# Altium PCB PuttPilot-Master.PcbDoc (part 1 of 2)
Units mm, origin at the board's own origin, x right, y up, seen from the top; angles counter-clockwise.
Board outline 150 x 80 mm, 4 copper layers (L01-SIG, L02-GND, L03-PWR, L04-SIG), stack 0.603 mm thick; 225 components, 120 nets, 597 pads, 726 vias.
Unrouted connection lines stored in the file: 140.
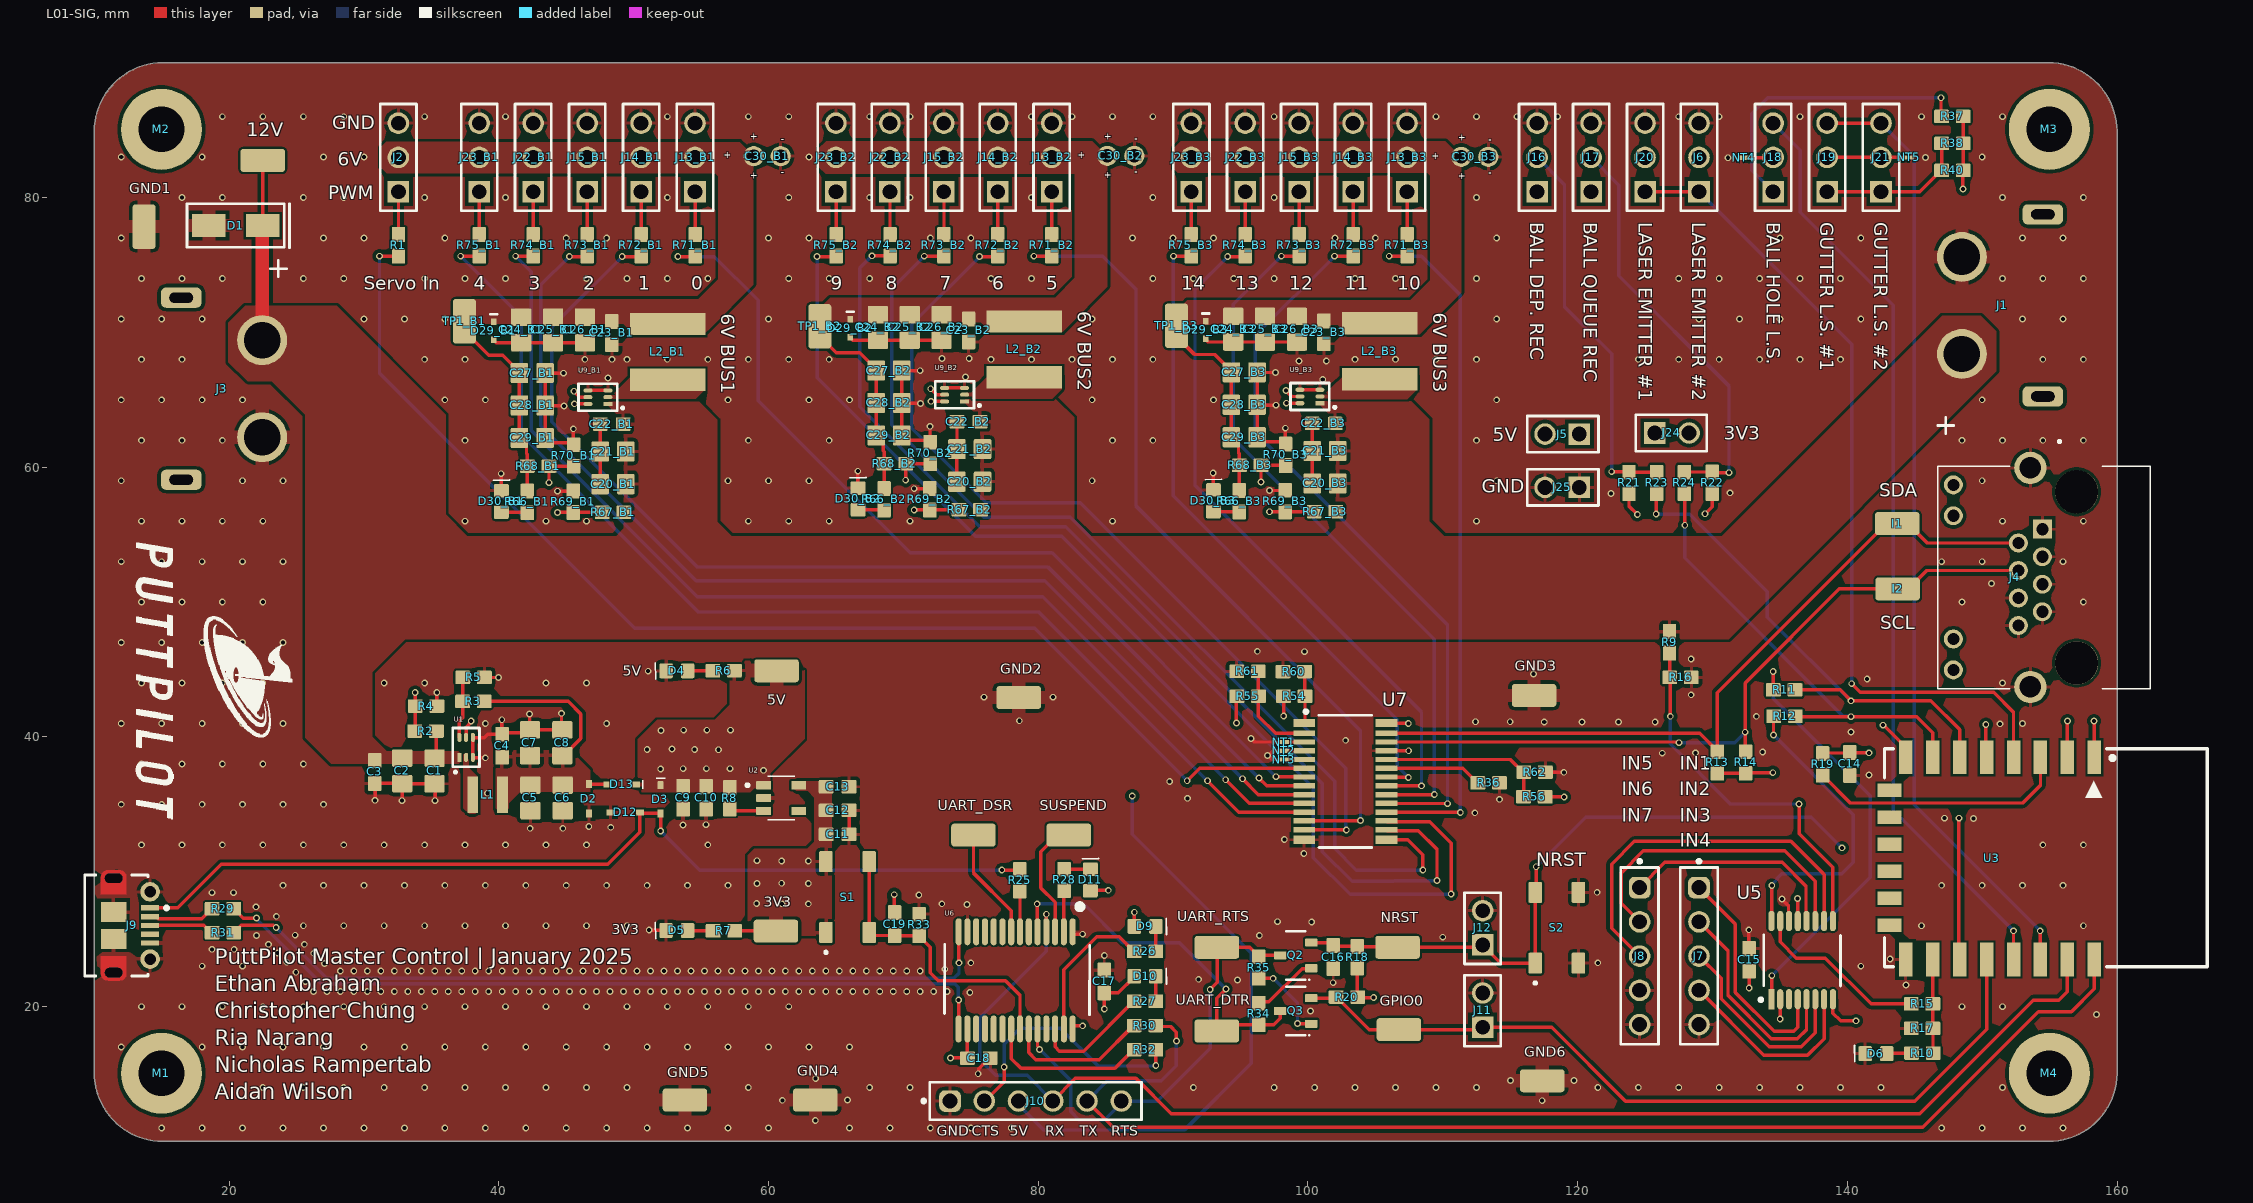
[diagram p0: L01-SIG view]
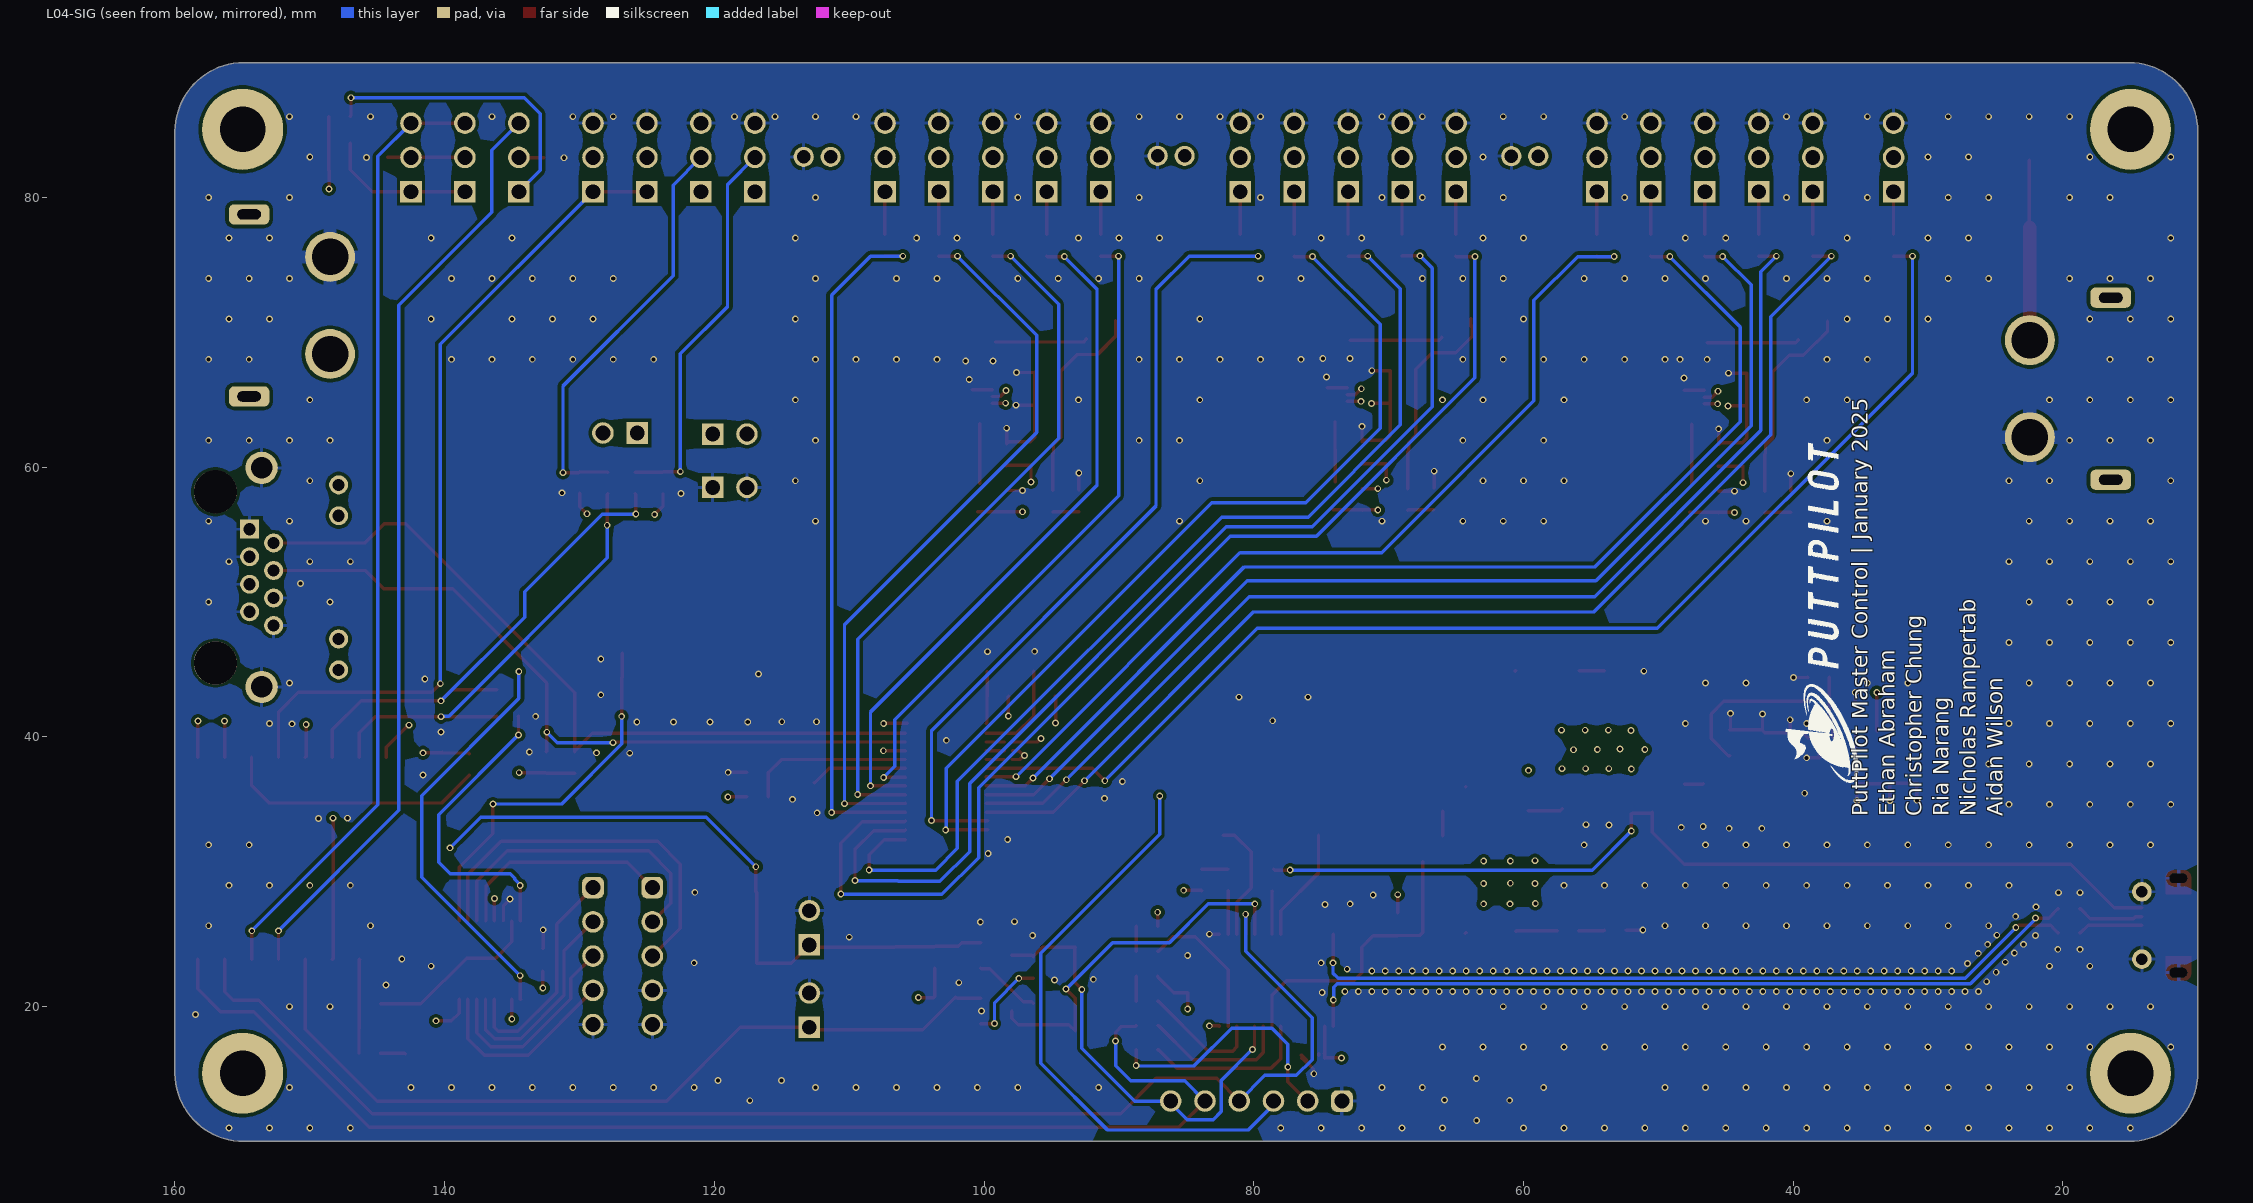
[diagram p1: L04-SIG view, seen from below]
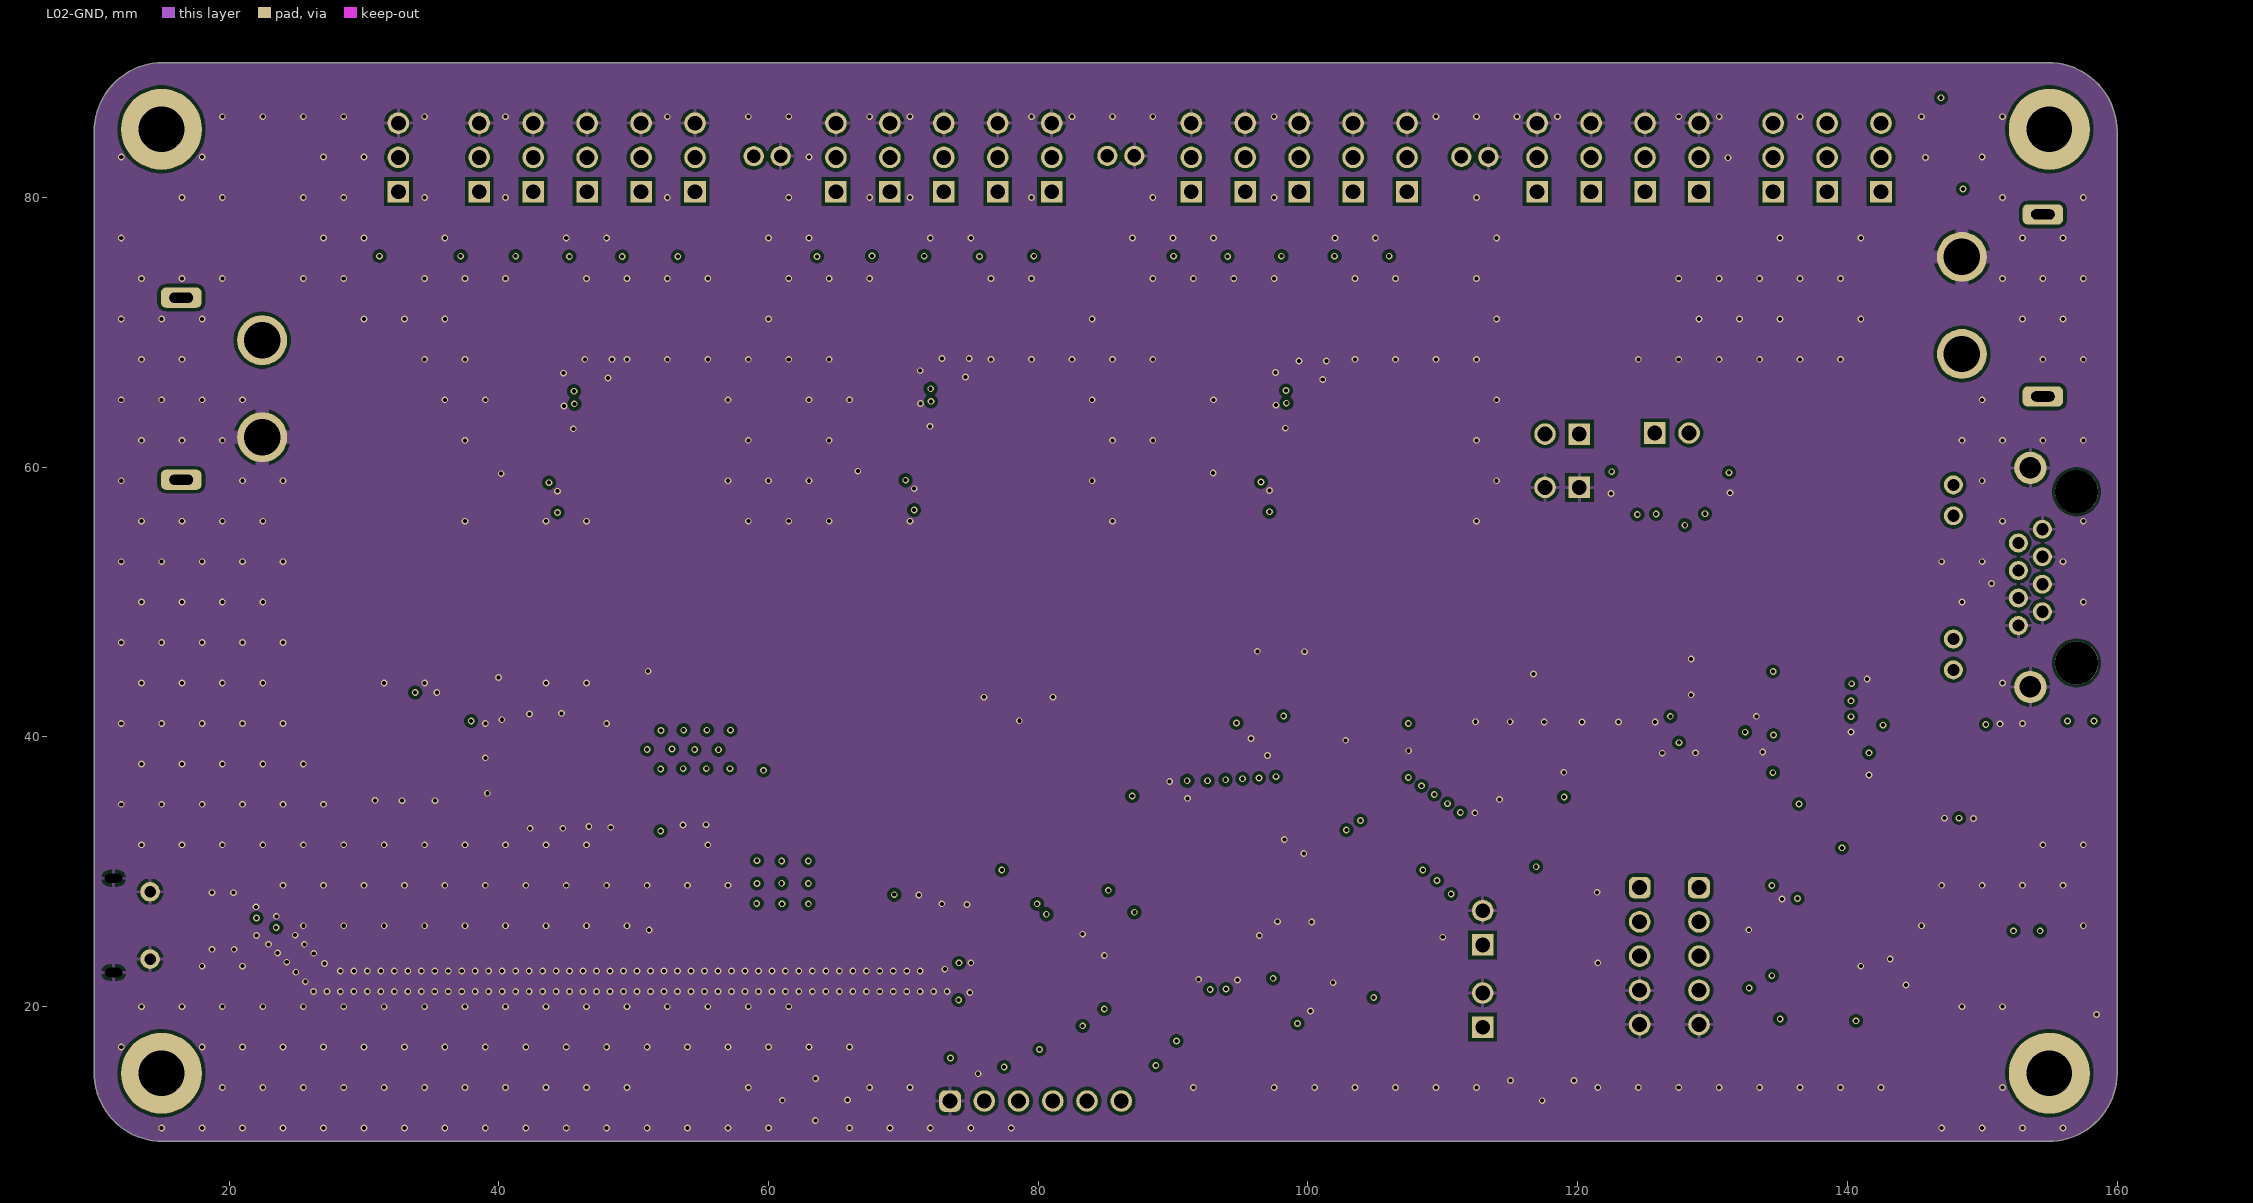
[diagram p2: L02-GND]
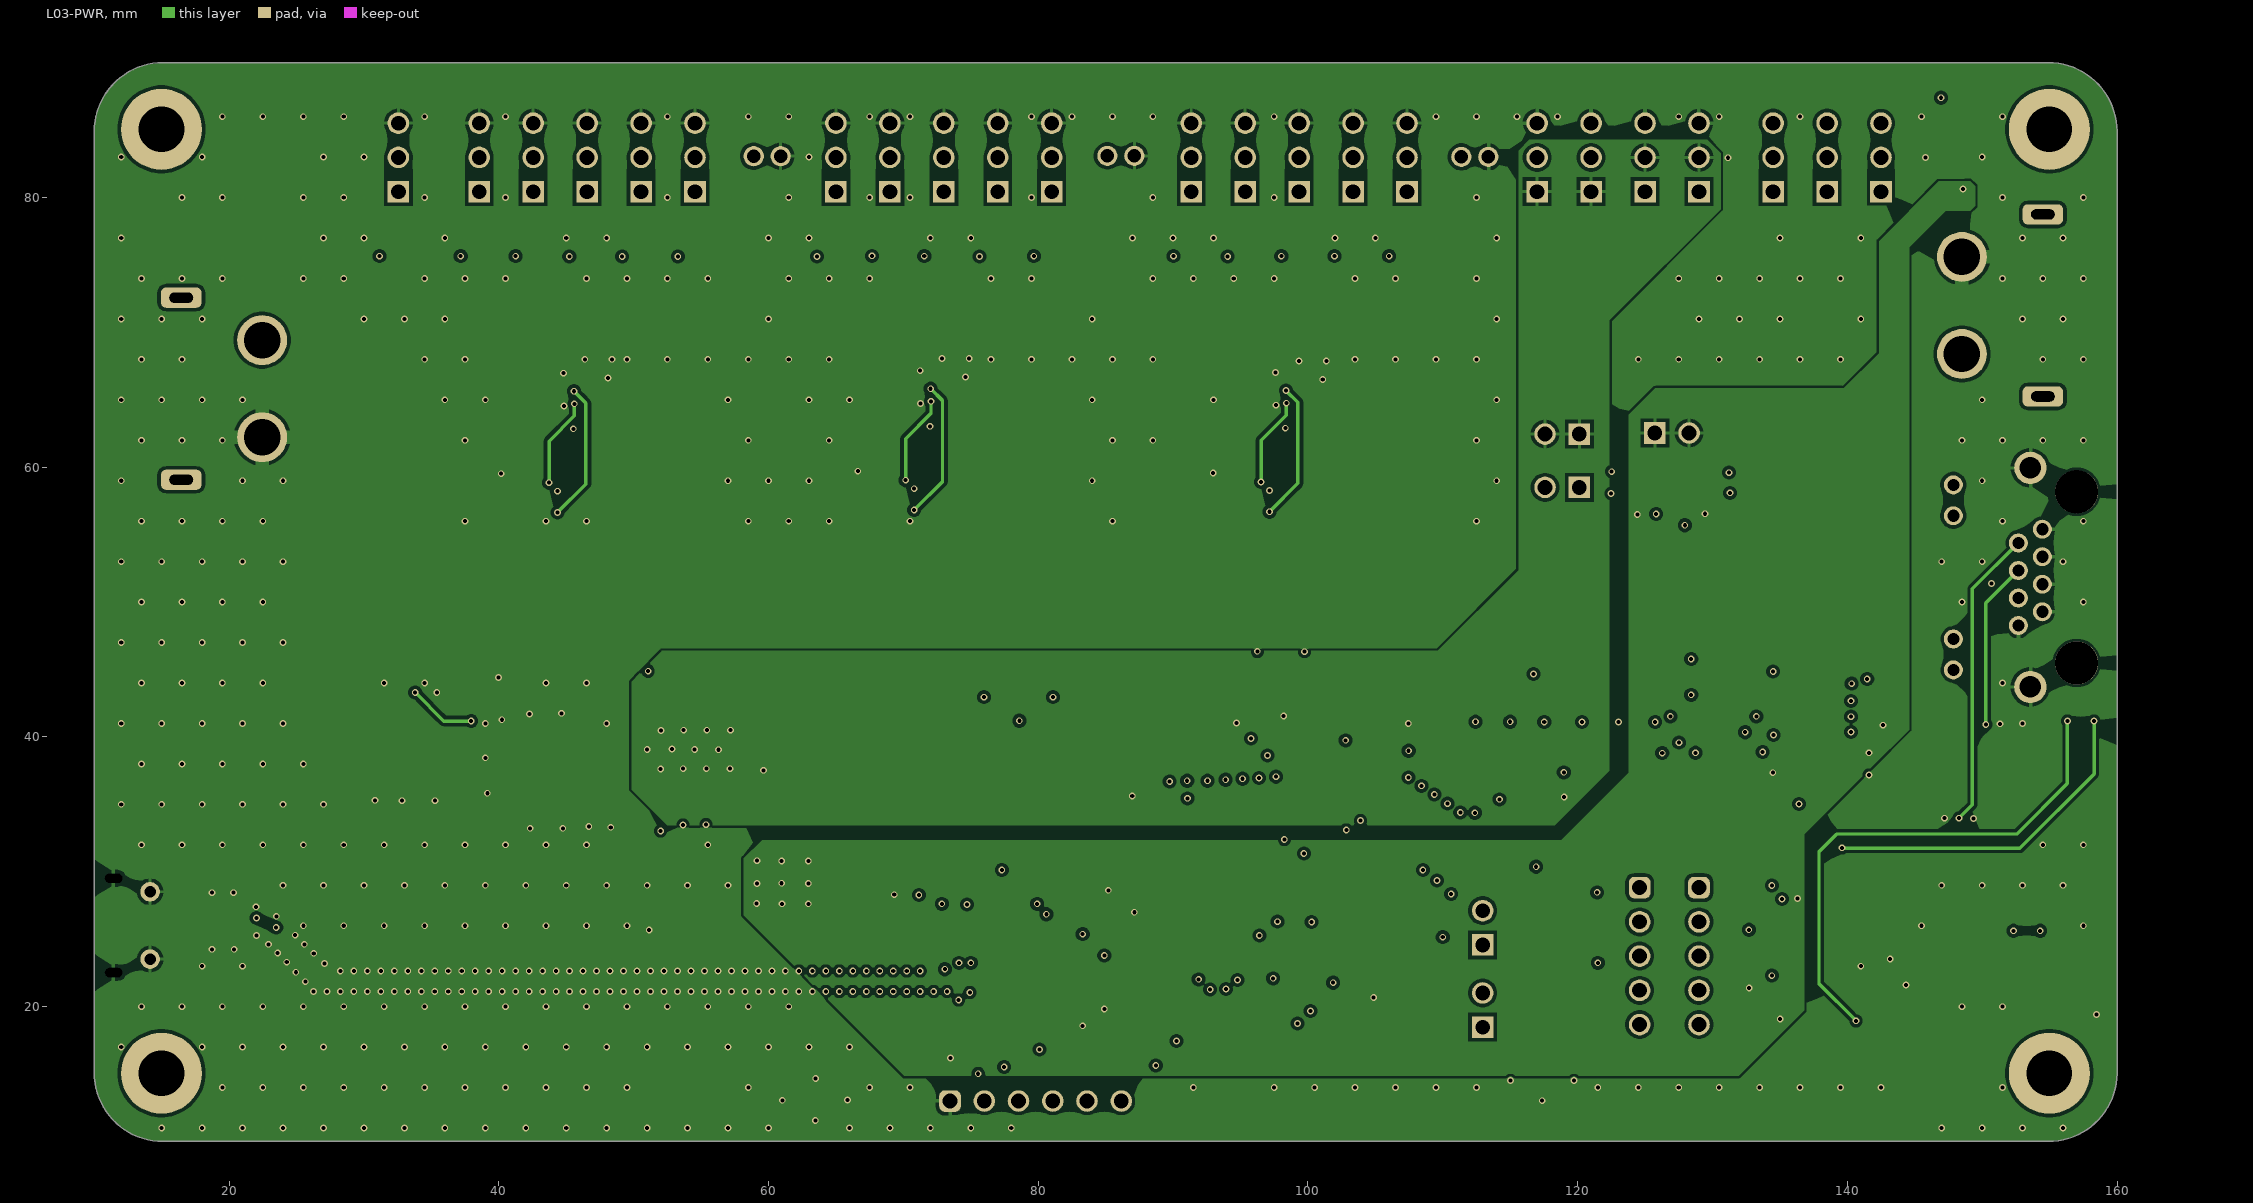
[diagram p3: L03-PWR]
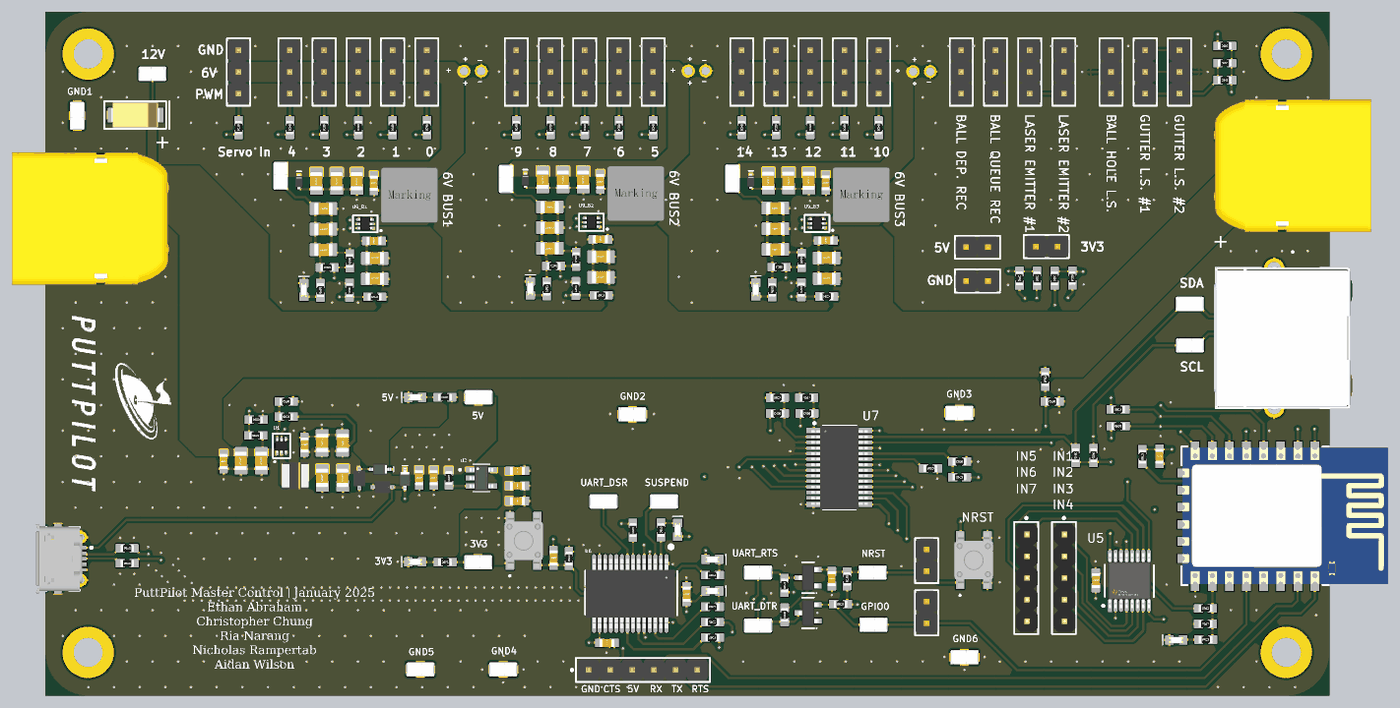
[diagram p5: 3D render of the assembled board from above, using the file's embedded part models]

## Layer stack, top to bottom
Top Solder: solder mask 0.0102, Solder Resist, Dk 3.5
L01-SIG: signal copper 0.0356
Dielectric 2: prepreg 0.0711, PP-006, Dk 4.1
L02-GND: signal copper 0.035
Dielectric 1: dielectric 0.32, FR-4, Dk 4.8
L03-PWR: signal copper 0.035
Dielectric 3: prepreg 0.0711, PP-006, Dk 4.1
L04-SIG: signal copper 0.0356
Bottom Solder: solder mask 0.0102, Solder Resist, Dk 3.5

## Board outline
15.1,10 cw(c15.1,15.1) 10,15.1 10,84.9 cw(c15.1,84.9) 15.1,90 15.101,90 154.899,90 154.9,90 cw(c154.9,84.9) 160,84.9 160,59.4 160,20.125 160,15.05 cw(c154.9,15.1) 154.9,10

## Design rules (kind name [scope] priority, off if disabled: settings)
Clearance [Not InComponent('NT*')] p1: gap=0.254 ignorepadtopadclearanceinfootprint=FALSE except(0: Arc-Hole Track-Hole SMDPad-Hole THPad-Hole Via-Hole Text-Hole; 0.1: SMDPad-SMDPad; 0.15: Arc-Arc Arc-Track Arc-SMDPad Arc-Via Track-Track Track-SMDPad Track-Via SMDPad-Fill SMDPad-Poly SMDPad-Region; 0.2: Fill-Fill Fill-Poly Fill-Region Fill-Hole Poly-Poly Poly-Region Poly-Hole Region-Region Region-Hole)
HoleSize [All] p1: absolutevalues=TRUE maxlimit=4 minlimit=0.025 maxpercent=80.000 minpercent=20.000
MinimumSolderMaskSliver [All] p1: minsoldermaskwidth=0.01
PolygonConnect [All] p1: connectstyle=Relief reliefconductorwidth=0.254 reliefentries=4 polygonreliefangle="90 Angle" airgapwidth=0.254
RoomDefinition B3 [InComponentClass('B3') and not InComponent('C30_B3')] p1: confinementstyle=ConfineIn formatcopy=TRUE lockcomponents=FALSE outline 88.4,54.975 110.175,54.975 110.175,91.975 88.4,91.975
RoomDefinition B2 [InComponentClass('B2') and not InComponent('C30_B2')] p2: confinementstyle=ConfineIn formatcopy=TRUE lockcomponents=FALSE outline 62.05,54.975 83.825,54.975 83.825,91.975 62.05,91.975
RoomDefinition B1 [InComponentClass('B1') and not InComponent('C30_B1')] p3: confinementstyle=ConfineIn formatcopy=TRUE lockcomponents=FALSE outline 35.6,54.975 57.375,54.975 57.375,91.975 35.6,91.975
RoutingVias [All] p1: holewidth=0.25 width=0.5 viastyle="Through Hole" minholewidth=0.25 minwidth=0.5 maxholewidth=0.25 maxwidth=0.5
ShortCircuit [Not InComponent('NT*')] p1: allowed=FALSE
SilkToSolderMaskClearance [IsPad] p1: minsilkscreentomaskgap=0.127 clearancetoexposedcopper=TRUE
SolderMaskExpansion [All] p1: expansion=0.102 istentingtop=FALSE
SupplyNets "Schematic Supply Nets_5" [InNet('5V_BUCK')] p1: voltage=0.000
SupplyNets "Schematic Supply Nets_4" [InNet('VBUS_USB')] p2: voltage=0.000
SupplyNets "Schematic Supply Nets_3" [InNet('12V')] p3: voltage=0.000
SupplyNets "Schematic Supply Nets_2" [InNet('5V')] p4: voltage=0.000
SupplyNets "Schematic Supply Nets_1" [InNet('GND')] p5: voltage=0.000
SupplyNets "Schematic Supply Nets" [InNet('3V3')] p6: voltage=0.000
Width [All] p1: maxlimit=2 minlimit=0.254 preferedwidth=0.254 midlayer1_maxwidth=1 midlayer2_maxwidth=1 bottomlayer_maxwidth=1 minimp=50.000000 maximp=50.000000 favimp=50.000000
26 further rules are at their usual default settings.

## Classes and differential pairs
net class SERVO_PWM_5_[1..3]: SERVO_PWM_5_1 SERVO_PWM_5_2 SERVO_PWM_5_3
net class SERVO_PWM_4_[1..3]: SERVO_PWM_4_1 SERVO_PWM_4_2 SERVO_PWM_4_3
net class SERVO_PWM_3_[1..3]: SERVO_PWM_3_1 SERVO_PWM_3_2 SERVO_PWM_3_3
net class SERVO_PWM_2_[1..3]: SERVO_PWM_2_1 SERVO_PWM_2_2 SERVO_PWM_2_3
net class SERVO_PWM_1_[1..3]: SERVO_PWM_1_1 SERVO_PWM_1_2 SERVO_PWM_1_3
net class 6V_BUS[1..3]: 6V_BUS1 6V_BUS2 6V_BUS3
component class U_UART_TO_UART: C17 C18 C19 D9 D10 D11 D12 GPIO0 J9 J10 NRST Q2 Q3 R25 R26 R27 R28 R29 R30 R31 R32 R33 R34 R35 S1 SUSPEND U6 UART_DSR UART_DTR UART_RTS
component class U_ESP-Power: 3V3 5V 12V C1 C2 C3 C4 C5 C6 C7 C8 C9 C10 C11 C12 C13 D2 D3 D4 D5 D13 GND1 GND2 GND3 GND4 GND5 GND6 L1 R2 R3 R4 R5 R6 R7 R8 U1 U2
component class U_ESP8266: C14 C15 C16 D6 J4 J5 J6 J7 J8 J11 J12 J16 J17 J18 J19 J20 J21 J24 J25 NT4 NT5 R9 R10 R11 R12 R13 R14 R15 R16 R17 R18 R19 R20 R21 R22 R23 R24 R37 R38 R40 S2 U3 U5
component class Hierarchal: D1 J1 J2 J3 M1 M2 M3 M4 R1
channel class Servo-Power: B1 B2 B3
component class U_PWM_CONTROL: I1 I2 NT1 NT2 NT3 R36 R54 R55 R56 R60 R61 R62 U7
component class B3: C20_B3 C21_B3 C22_B3 C23_B3 C24_B3 C25_B3 C26_B3 C27_B3 C28_B3 C29_B3 C30_B3 D29_B3 D30_B3 J13_B3 J14_B3 J15_B3 J22_B3 J23_B3 L2_B3 R66_B3 R67_B3 R68_B3 R69_B3 R70_B3 R71_B3 R72_B3 R73_B3 R74_B3 R75_B3 TP1_B3 U9_B3
component class B2: C20_B2 C21_B2 C22_B2 C23_B2 C24_B2 C25_B2 C26_B2 C27_B2 C28_B2 C29_B2 C30_B2 D29_B2 D30_B2 J13_B2 J14_B2 J15_B2 J22_B2 J23_B2 L2_B2 R66_B2 R67_B2 R68_B2 R69_B2 R70_B2 R71_B2 R72_B2 R73_B2 R74_B2 R75_B2 TP1_B2 U9_B2
component class B1: C20_B1 C21_B1 C22_B1 C23_B1 C24_B1 C25_B1 C26_B1 C27_B1 C28_B1 C29_B1 C30_B1 D29_B1 D30_B1 J13_B1 J14_B1 J15_B1 J22_B1 J23_B1 L2_B1 R66_B1 R67_B1 R68_B1 R69_B1 R70_B1 R71_B1 R72_B1 R73_B1 R74_B1 R75_B1 TP1_B1 U9_B1

## Components (designator, comment, footprint, x,y, rotation, side; value= is the part's Value field where it differs from the comment)
3V3 "RCWCTE" RCWCTE 60.52,25.68 r180 top
5V "RCWCTE" RCWCTE 60.625,44.825 r0 top
12V "RCWCTE" RCWCTE 22.525,82.675 r0 top
C1 "GRM21BR61E226ME44K" .CAP_0805 35.275,37.525 r90 top
C2 "GRM21BR61E226ME44K" .CAP_0805 32.875,37.525 r90 top
C3 "GCJ188R71H104KA12D" .CAP_0603 30.875,37.425 r90 top
C4 "GCJ188R71H104KA12D" .CAP_0603 40.175,39.325 r270 top
C5 "GRM21BR61E226ME44K" .CAP_0805 42.375,35.525 r90 top
C6 "GRM21BR61E226ME44K" .CAP_0805 44.775,35.525 r90 top
C7 "GRM21BR61E226ME44K" .CAP_0805 42.275,39.525 r270 top
C8 "GRM21BR61E226ME44K" .CAP_0805 44.675,39.525 r270 top
C9 "GRT188R71E105KE13D" .CAP_0603 53.74,35.52 r90 top
C10 "GRT188R71E105KE13D" .CAP_0603 55.44,35.52 r90 top
C11 "GCJ188R71H104KA12D" .CAP_0603 65.1,32.85 r180 top
C12 "GRT188R71E105KE13D" .CAP_0603 65.1,34.625 r180 top
C13 "GRT188R71E105KE13D" .CAP_0603 65.1,36.375 r180 top
C14 "GCJ188R71H104KA12D" .CAP_0603 140.25,38.025 r90 top
C15 "GCJ188R71H104KA12D" .CAP_0603 132.65,23.45 r270 top
C16 "GCJ188R71H104KA12D" .CAP_0603 101.95,23.7 r90 top
C17 "GCJ188R71H104KA12D" .CAP_0603 84.825,21.85 r270 top
C18 "GCJ188R71H104KA12D" .CAP_0603 75.575,16.25 r180 top
C19 "GCM188R72A103KA37D" .CAP_0603 69.275,26.1 r270 top
C20_B1 "GRM21BR61E226ME44K" .CAP_0805 48.514,58.71 r0 top (schematic designator C20)
C20_B2 "GRM21BR61E226ME44K" .CAP_0805 74.964,58.895 r0 top (schematic designator C20)
C20_B3 "GRM21BR61E226ME44K" .CAP_0805 101.314,58.76 r0 top (schematic designator C20)
C21_B1 "GRM21BR61E226ME44K" .CAP_0805 48.514,61.123 r0 top (schematic designator C21)
C21_B2 "GRM21BR61E226ME44K" .CAP_0805 74.964,61.308 r0 top (schematic designator C21)
C21_B3 "GRM21BR61E226ME44K" .CAP_0805 101.314,61.173 r0 top (schematic designator C21)
C22_B1 "GCJ188R71H104KA12D" .CAP_0603 48.4,63.125 r0 top (schematic designator C22)
C22_B2 "GCJ188R71H104KA12D" .CAP_0603 74.85,63.31 r0 top (schematic designator C22)
C22_B3 "GCJ188R71H104KA12D" .CAP_0603 101.2,63.175 r0 top (schematic designator C22)
C23_B1 "GCJ188R71H104KA12D" .CAP_0603 48.452,69.979 r90 top (schematic designator C23)
C23_B2 "GCJ188R71H104KA12D" .CAP_0603 74.902,70.164 r90 top (schematic designator C23)
C23_B3 "GCJ188R71H104KA12D" .CAP_0603 101.252,70.029 r90 top (schematic designator C23)
C24_B1 "GRM21BR61E226ME44K" .CAP_0805 41.696,70.233 r90 top (schematic designator C24)
C24_B2 "GRM21BR61E226ME44K" .CAP_0805 68.146,70.418 r90 top (schematic designator C24)
C24_B3 "GRM21BR61E226ME44K" .CAP_0805 94.496,70.283 r90 top (schematic designator C24)
C25_B1 "GRM21BR61E226ME44K" .CAP_0805 44.058,70.233 r90 top (schematic designator C25)
C25_B2 "GRM21BR61E226ME44K" .CAP_0805 70.508,70.418 r90 top (schematic designator C25)
C25_B3 "GRM21BR61E226ME44K" .CAP_0805 96.858,70.283 r90 top (schematic designator C25)
C26_B1 "GRM21BR61E226ME44K" .CAP_0805 46.42,70.233 r90 top (schematic designator C26)
C26_B2 "GRM21BR61E226ME44K" .CAP_0805 72.87,70.418 r90 top (schematic designator C26)
C26_B3 "GRM21BR61E226ME44K" .CAP_0805 99.22,70.283 r90 top (schematic designator C26)
C27_B1 "GRM21BR61E226ME44K" .CAP_0805 42.433,67.021 r180 top (schematic designator C27)
C27_B2 "GRM21BR61E226ME44K" .CAP_0805 68.883,67.206 r180 top (schematic designator C27)
C27_B3 "GRM21BR61E226ME44K" .CAP_0805 95.233,67.071 r180 top (schematic designator C27)
C28_B1 "GRM21BR61E226ME44K" .CAP_0805 42.433,64.619 r180 top (schematic designator C28)
C28_B2 "GRM21BR61E226ME44K" .CAP_0805 68.883,64.804 r180 top (schematic designator C28)
C28_B3 "GRM21BR61E226ME44K" .CAP_0805 95.233,64.669 r180 top (schematic designator C28)
C29_B1 "GRM21BR61E226ME44K" .CAP_0805 42.433,62.206 r180 top (schematic designator C29)
C29_B2 "GRM21BR61E226ME44K" .CAP_0805 68.883,62.391 r180 top (schematic designator C29)
C29_B3 "GRM21BR61E226ME44K" .CAP_0805 95.233,62.256 r180 top (schematic designator C29)
C30_B1 "ESH107M010AC3AA" ESH107M010AC3AA 59.925,83.075 r0 top (schematic designator C30)
C30_B2 "ESH107M010AC3AA" ESH107M010AC3AA 86.15,83.1 r0 top (schematic designator C30)
C30_B3 "ESH107M010AC3AA" ESH107M010AC3AA 112.4,83.025 r0 top (schematic designator C30)
D1 "SMAJ12A-13-F" SMAJ12A-13-F 20.5,77.925 r0 top
D2 "DESD5V0U1BA-7" DESD5V0U1BA-7 46.675,35.425 r90 top
D3 "BAT60JFILM" BAT60JFILM 51.95,35.425 r90 top
D4 "LTST-C191KGKT" .LED_0603 53.25,44.86 r180 top
D5 "LTST-C191KGKT" .LED_0603 53.25,25.61 r180 top
D6 "LTST-C191KGKT" .LED_0603 142.175,16.475 r180 top
D9 "LTST-C191KGKT" .LED_0603 87.875,25.99 r0 top
D10 "LTST-C191KGKT" .LED_0603 87.875,22.29 r0 top
D11 "LTST-C191KGKT" .LED_0603 83.825,29.35 r90 top
D12 "DESD5V0U1BA-7" DESD5V0U1BA-7 49.375,34.4 r0 top
D13 "BAT60JFILM" BAT60JFILM 49.175,36.525 r0 top
D29_B1 "ESD5Z6.0T1G" ESD5Z6.0T1G 39.613,70.131 r270 top (schematic designator D29)